# Altium PCB DRS4-PCB.PcbDoc (part 12 of 15) (continued)
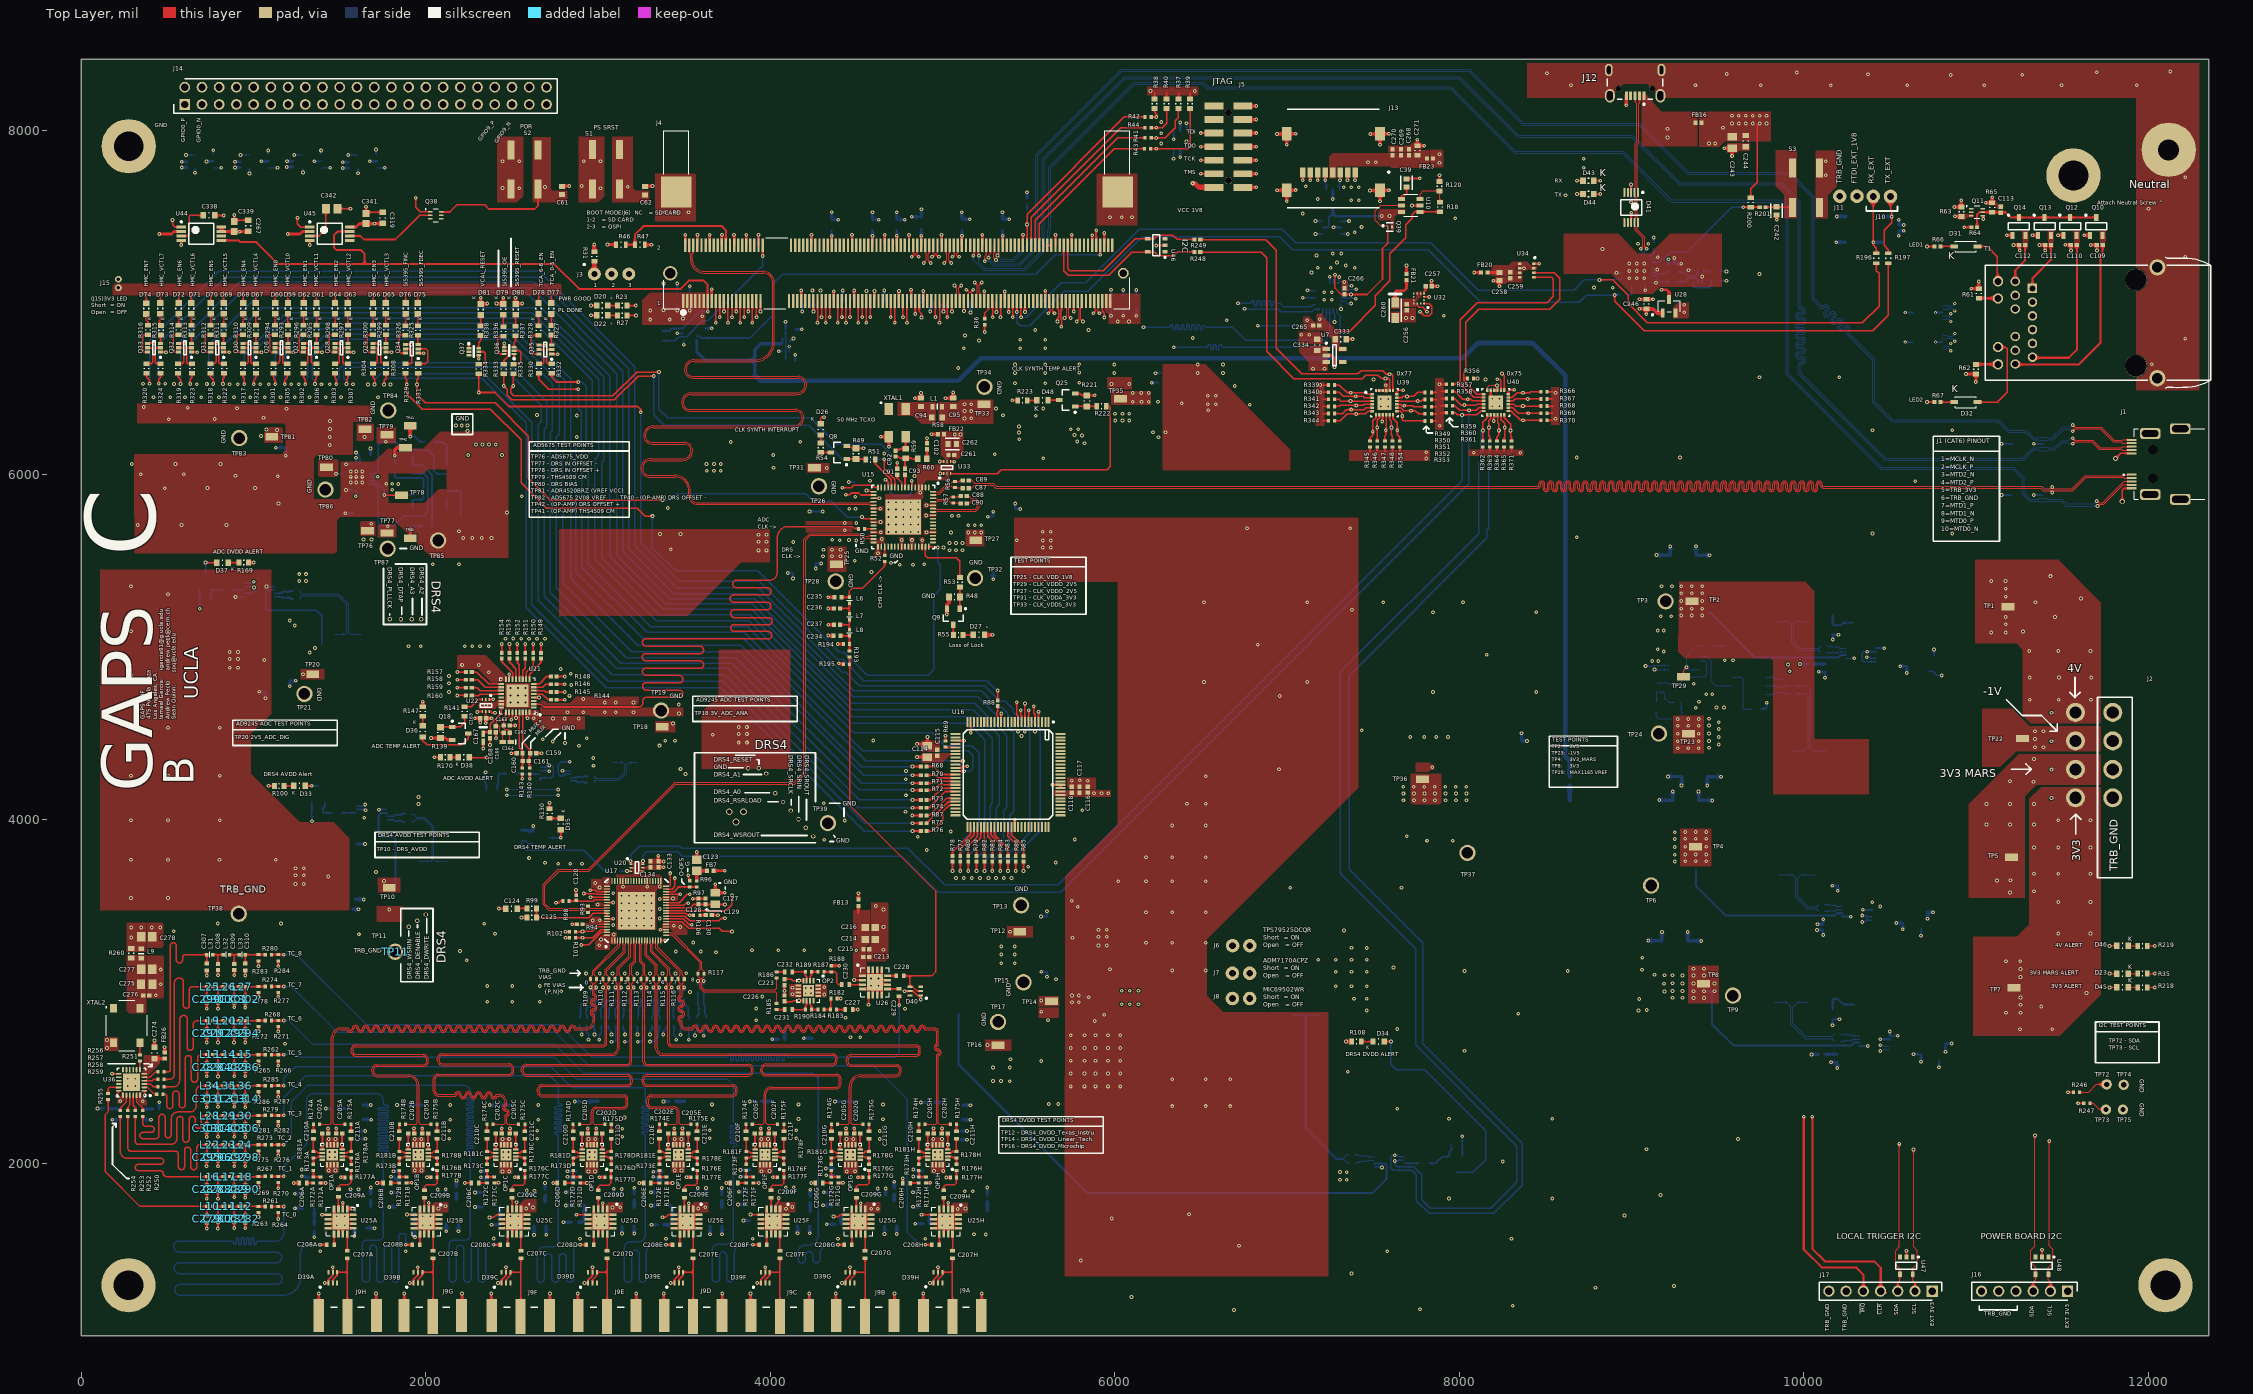
[diagram p0: Top Layer view]
## Nets (pads, with @x,y where several pads share a name; then routed paths per layer and width w, separated by ;. In a path a pad name is that pad's centre, name@x,y a point inside that pad or via, vN(x,y) a via of type N, cw(c..) or ccw(c..) an arc to the next point about the centre after c; other vN are vias at no path point) (continued)
  Top Layer w12: J9A.2@1377.84,1112.91 1378,1113.07 v1(1378,1247) ; v1(1711,1247) 1711,1114.39 J9A.3@1712.49,1112.91 ; J9B.2@1872.68,1118.76 1875,1121.09 v1(1875,1247) ; J9B.3@2207.32,1118.76 2210,1121.44 v1(2210,1247) ; v1(2380,1247) 2380,1121.44 J9C.2@2382.68,1118.76 ; J9C.3@2717.32,1118.76 2720,1121.44 v1(2720,1247) ; v1(2882,1247) 2882,1121.44 J9D.2@2884.68,1118.76 ; J9D.3@3219.32,1118.76 3222,1121.44 v1(3222,1247) ; v1(3381,1247) 3381,1121.44 J9E.2@3383.68,1118.76 ; J9E.3@3718.32,1118.76 3721,1121.44 v1(3721,1247) ; v1(3885,1247) 3885,1121.44 J9F.2@3887.68,1118.76 ; J9F.3@4222.32,1118.76 4225,1121.44 v1(4225,1247) ; v1(4380,1247) 4380,1121.44 J9G.2@4382.68,1118.76 ; J9G.3@4717.32,1118.76 4720,1121.44 v1(4720,1247) ; v1(4887,1247) 4887,1121.44 J9H.2@4889.68,1118.76 ; J9H.3@5224.32,1118.76 5227,1121.44 v1(5227,1247) ; U7.2@7227.51,6692.4 7227.91,6692 7259.09,6692 7275,6676.09 v1(7275,6624)
  Top Layer w13.78: J4.2@3505.66,7331.12 v1@3505.67,7392.92 ; J4.8@3576.52,7331.12 v1@3576.53,7392.92 ; J4.14@3647.38,7331.12 v1@3647.39,7392.92 ; J4.15@3659.11,7007.79 v1@3659.11,7076.95 ; J4.20@3718.24,7331.12 v1@3718.25,7392.92 ; v1@3730.06,6947.44 J4.21@3730.06,7007.79 ; J4.26@3789.1,7331.12 v1@3789.11,7392.92 ; v1@3800.92,6947.44 J4.27@3800.91,7008.12 ; J4.32@3859.96,7331.12 v1@3859.98,7392.91 ; v1@3871.78,6947.44 J4.33@3871.77,7008.12 ; J4.38@3930.82,7331.12 v1@3930.84,7392.91 ; v1@3942.64,6947.44 J4.39@3942.63,7008.12 ; J4.47@4178.85,7008.1 v1@4178.85,7069.51 ; J4.52@4237.89,7331.12 v1@4237.91,7392.91 ; J4.63@4367.8,7008.12 v1@4367.81,7065.44 ; J4.72@4474.09,7331.12 v1@4474.11,7392.91 ; J4.83@4604,7008.12 v1@4604.01,7065.18 ; J4.88@4663.05,7331.12 v1@4663.07,7392.91 ; J4.95@4745.72,7008.12 v1@4745.73,7065.18 ; J4.100@4804.77,7331.12 v1@4804.79,7392.91 ; J4.107@4887.45,7008.1 v1@4887.45,7065.18 ; J4.116@4993.73,7331.12 v1@4993.75,7392.91 ; J4.136@5229.93,7331.12 v1@5229.95,7392.91 ; J4.147@5360.09,7007.79 v1(5360.08,7062.92) ; J4.156@5466.13,7331.12 v1@5466.15,7392.91 ; J4.167@5596.29,7007.79 v1(5596.3,7067.33) ; J4.172@5655.09,7331.12 v1@5655.11,7392.91 ; J4.180@5749.57,7331.12 v1@5749.59,7392.91
  Top Layer w15.75: C274.2@424.34,2675.23 424.34,2714.23 v1(425.02,2714.91) ; R169.1@969.98,5489.69 v1(1001.3,5489.69) ; v1(1232.14,1888.23) 1263.88,1888.23 1264.59,1888.95 C206A.1@1264.75,1888.78 ; R171A.2@1388.16,1888.35 v1(1418.28,1888.35) ; v1(1504.97,1921.83) 1529.51,1921.83 R177A.1@1531.02,1920.31 ; v1(1716.46,1888.5) C206B.1@1753.35,1888.5 ; R171B.2@1887.12,1888.72 1902.5,1888.72 ; 1902.29,1888.5 1902.5,1888.72 ; v1(1917.9,1888.72) 1902.5,1888.72 ; R147.1@1981.57,4653.19 v1(1981.57,4682.22) ; v1(2006.38,1921.68) R177B.1@2029.61,1921.68 ; v1(2283.32,4586.24) 2283.49,4586.41 2314.96,4586.41 v1(2314.96,4561.57) ; v1(2318.01,7027.36) 2317.87,7027.21 D81.1@2317.87,6990.31 2318.19,6990.64 2355.69,6990.64 2356.93,6991.88 v1(2356.93,6993.26) ; R171C.2@2396.39,1889.02 v1@2419.45,1889.02 ; v1(2410.45,6993.26) 2411.44,6992.27 2449.36,6992.27 D79.1@2449.98,6991.65 2449.98,7027.09 v1(2449.7,7027.36) ; v1@2419.41,1888.98 v1@2419.45,1889.02 ; v1(2421.04,1889.02) v1@2419.45,1889.02 ; v1(2515.55,1920.83) R177C.1@2538.78,1920.83 ; v1(2520.66,7027.36) 2521,7027.02 D80.1@2521,6991.3 2521.62,6991.92 2557.03,6991.92 2558.37,6993.26 v1(2559.97,6993.26) ; C61.2@2791.87,7676.38 v1(2832.07,7676.38) ; R171D.2@2896.51,1888.98 2896.55,1889.02 2897.8,1887.76 v1(2935.94,1887.76) ; v1(3006.93,1921.72) 3038.04,1921.72 R177D.1@3038.94,1920.83 ; R47.2@3270.73,7335.91 3271.54,7335.1 v1(3309.55,7335.1) ; C62.2@3275.49,7676.38 v1(3315.89,7676.38) ; v1(3348.62,3788.27) 3348.62,3755.39 3349.76,3754.25 v1(3380.28,3754.25) ; R171E.2@3399.72,1888.01 v1@3425.55,1888.01 ; v1(3513.05,1921.11) 3539.13,1921.11 R177E.1@3539.41,1920.83 ; C123.1@3573.83,3765.7 v1@3573.83,3808.16 ; v1(3680.51,3622.52) C127.2@3680.51,3573.23 v1(3735.28,3573.23) ; v1@4012.9,1921.29 4042.01,1921.29 R177F.1@4042.48,1920.83 ; v1(4336.06,5065.86) C234.1@4368.38,5065.86 ; v1(4336.06,5129.13) C237.1@4368.38,5129.13 ; v1(4336.06,5223.54) C236.1@4366.09,5223.54 ; v1@4336.07,5288.39 C235.1@4373.65,5288.39 ; R188.1@4353.04,3149.29 4397.92,3149.28 v1@4400.08,3147.13 ; R182.2@4386.51,2959.32 4407.85,2959.32 v1(4408.43,2958.74) ; v1@4392.18,5017.68 R194.1@4424.49,5017.68 ; R171G.2@4395.61,1888.83 v1@4421.1,1888.83 ; v1(4397.47,4905.78) 4397.47,4904.57 4399.88,4902.17 4423.5,4902.17 4424.49,4901.18 R195.1@4424.49,4899.21 ; v1@4507.7,1921.8 4537.16,1921.8 R177G.1@4537.28,1921.69 ; v1(4641.36,6220.04) XTAL1.4@4688.03,6220.04 v1(4688.03,6163) ; v1(4837.99,6444.25) C94.2@4874.49,6444.25 v1(4874.49,6474.65) ; v1(4851.07,4436.22) 4909.37,4436.22 C114.2@4911.65,4433.94 ; R171H.2@4903.31,1889.01 v1@4926.37,1889.01 ; C114.2@4911.65,4426.85 C114.2@4911.65,4433.94 ; v1(4911.65,4477.43) C114.2@4911.65,4433.94 ; v1@4925.87,1888.5 v1@4926.37,1889.01 ; v1(4927.74,1889.01) v1@4926.37,1889.01 ; v1(5016.73,6444.25) C95.2@5061.82,6444.25 5061.82,6476.75 v1(5062.13,6477.05) ; v1@5020.34,1920.65 5043.99,1920.65 R177H.1@5044.8,1919.84 ; J5.14@6743.17,7668.08 v1(6819.91,7668.08) ; J5.12@6743.17,7746.82 v1(6819.91,7746.82) ; J5.10@6743.17,7825.56 v1(6819.91,7825.56) ; J5.8@6743.17,7904.3 v1(6819.91,7904.3) ; J5.6@6743.17,7983.04 v1(6819.91,7983.04) ; J5.4@6743.17,8061.78 v1(6819.91,8061.78) ; J5.2@6743.17,8140.52 v1(6819.91,8140.52) ; v1(6941.08,7651.38) J13.G4@6997.24,7651.38 ; v1(6941.08,7978.15) J13.G3@6997.24,7978.15 ; v1(6997.95,7588.16) J13.G4@6997.95,7652.09 ; v1(6997.95,7914.94) J13.G3@6997.95,7978.86 ; J13.G4@6998.31,7652.12 v1(7050.17,7652.12) ; J13.G3@6998.31,7978.9 v1(7050.17,7978.9) ; v1(7481.51,7650.47) 7537.68,7650.47 J13.G1@7538.39,7651.18 ; v1(7482.42,7978.15) J13.G2@7538.58,7978.15 ; v1(7538.39,7587.26) J13.G1@7538.39,7651.18 ; v1(7539.29,7914.94) J13.G2@7539.29,7978.86 ; J13.G2@7539.65,7978.9 v1(7591.5,7978.9) ; v1(7590.6,7651.22) 7538.74,7651.22 J13.G1@7538.58,7651.38 J13.G1@7538.39,7651.18 ; v1(7755.92,7944.97) C271.2@7755.92,7909.02 v1(7796.09,7909.02) ; v1(7837.8,7125.74) 7837.8,7093.82 v1(7872.83,7093.82) ; v1(8196.66,7126.3) C258.2@8232.7,7126.3 v1(8232.7,7093.75) ; U34.1@8430.59,7223.58 8431.36,7224.36 v1(8463.41,7224.36) ; v1(9045.75,7017.83) C246.1@9085.14,7017.83 v1(9124.53,7017.83) ; v1@9536.99,7894.63 C243.2@9583.17,7894.65 v1(9583.17,7849.55) ; v1(9841.64,7479.97) C242.2@9841.64,7511.46 ; v1(11055.6,7578.49) R65.1@11092.93,7578.49 v1(11092.93,7609.99) ; v1(11217.02,7333.06) 11223.36,7333.06 11224.27,7333.97 11251.2,7333.97 11251.2,7306.33 11252.32,7305.21 v1@11252.32,7302.15 ; v1(11367.51,7333.97) v1@11369.19,7333.97 ; v1@11373.48,7333.97 11400.41,7333.97 11400.41,7306.33 11400.28,7306.21 v1(11400.28,7301.26) ; v1(11517.09,7334.6) 11523.25,7334.6 11523.87,7333.97 11550.8,7333.97 v1@11550.8,7306.1 ; v1@11674.27,7333.97 11701.19,7333.97 11701.19,7306.33 11701.05,7306.19 v1(11701.05,7301.26) v1@11701.05,7301.11
  Top Layer w16: v1(9173,7073) 9204,7073 9218,7059 U28.3@9218,7018
  Top Layer w18: v1(7341.21,2709.43) R108.1@7374.34,2709.43 ; v1(8968.81,8145.07) 8968.82,8196 J12.5@8968.82,8203.83
  Top Layer w19.68: D27.1@5242.81,5069.96 v1@5289.65,5069.96
  Bottom Layer w5: v1(3497.43,6754.79) Q6.4@3497.43,6782.14
  Bottom Layer w6.12: U30.7@10244.75,4933.75 10245.04,4934.04 10292.7,4934.04 v1(10292.99,4934.33)
  Bottom Layer w7.87: v1(895.37,5289.35) 897.35,5291.34 U24.1@947.41,5291.34 ; v1(1075.03,5350.39) U24.7@1122.61,5350.39 ; v1(1535.79,5911.1) U37.5@1556.91,5911.09 U37.4@1576.59,5911.09 ; v1(1535.79,6060.87) U37.11@1556.91,6060.88 U37.12@1576.59,6060.88 ; v1(1728.24,4055.53) 1729.21,4056.51 U18.7@1772.09,4056.51 ; v1(2792.49,4281.01) 2792.6,4280.9 U23.7@2839.14,4280.9 ; v1(5571.5,3435.25) v1@5571.7,3435.05 ; v1(6236.23,6588.93) 6238.72,6591.42 C57.2@6270.75,6591.42 ; U19.7@7505.78,1981.63 7552.3,1981.63 7552.3,1981.19 7550.53,1979.42 v1(7550.53,1978.45) ; C240.1@9127.53,7347.62 9127.53,7376.86 v1(9127.83,7377.16) ; v1(9330.06,7186.92) 9357.54,7186.92 Q21.1@9358.14,7186.32 ; Q21.4@9409.33,7111.52 9409.32,7141.7 9410.51,7142.88 v1@9410.51,7150.16
  Bottom Layer w8: v1(11147,5882) D28.8@11210.4,5882 ; v1(11147,6179) D25.8@11215.4,6179
  Bottom Layer w8.72: v1(7118.07,7070.64) 7134.62,7070.64 7138.73,7066.53 U35.11@7162.64,7066.53 ; U35.2@7266.97,6962.19 7267.18,6961.98 7267.18,6940.44 7275,6932.62 v1(7275,6886) ; v1(7312.24,6962.35) U35.24@7312.24,6987.79
  Bottom Layer w9.8: v1@11438.13,4123.95 D1.2@11464.1,4123.95 ; v1@11438.13,4289.31 D2.2@11464.1,4289.31 ; v1@11438.13,4454.66 D3.2@11464.1,4454.66 ; v1@11438.13,4620.02 D4.2@11464.1,4620.02
  Bottom Layer w9.84: v1(8911.68,7173.15) 8911.76,7173.23 U27.4@8941.46,7173.23 ; v1(9078.27,7070.51) U27.26@9078.27,7095.47 ; U27.24@9116.65,7114.17 v1(9141.62,7114.17) ; U27.20@9116.65,7192.91 9147.5,7192.91 v1(9148.73,7191.69) ; U27.17@9116.65,7251.97 9129.85,7251.97 9139.91,7262.02 v1(9152.16,7262.02) ; v3(10588.72,6769.7) D30.8@10630.59,6769.7 ; v3(10588.72,6941.14) D29.8@10630.59,6941.14
  Bottom Layer w10: v1(1351.19,7819.12) D56.2@1391.16,7819.12 ; C75.2@3379.93,7065.75 v1(3379.92,7110.08) ; C74.2@3459.72,7065.75 v1(3459.72,7110.08) ; C76.2@3532.2,7057.62 3532.27,7057.68 v1(3532.27,7093.34) ; C65.2@5977.23,7024.37 5978.25,7025.38 5978.25,7072.8 v1(5977.23,7073.82) ; C64.2@6049.11,7035.99 v1(6049.11,7072.8) ; C63.2@6124.53,7038.31 v1(6124.53,7072.8) ; D49.2@7311.41,7436.07 D49.2@7312.44,7435.04 ; R123.2@9751.56,4639 9753.56,4641 9778,4641 9784,4647 v1(9784,4676) ; v1(10166.57,2803.16) R6.1@10166.57,2838.86 v1(10206.77,2838.86) ; v1(11436.7,4618.59) v1@11438.13,4620.02
  Bottom Layer w11.81: C10.1@1593.13,3856.1 v1(1646.67,3856.1) ; v1(4100.97,5429.56) 4101.37,5429.96 C34.2@4130.2,5429.96 4130.2,5397.54 v1(4130.7,5397.05) ; R26.2@4143.78,6664.1 v1(4143.78,6695.96) ; R25.2@4143.78,6843.82 v1(4182,6843.82) ; v1(4227.09,5786.26) C33.1@4265.24,5786.26 v1(4303.68,5786.26) ; v1(4263.29,5455.08) 4262.9,5455.48 C32.1@4262.9,5484.31 4295.31,5484.31 v1(4295.8,5484.81) ; v1(4454.16,5957.44) C96.1@4488.12,5957.44 ; v1(5261.46,5755.66) 5261.95,5756.16 C35.1@5294.37,5756.16 5294.37,5784.99 v1(5293.97,5785.39) ; v1(5420.85,5832.96) 5421.34,5832.46 C37.2@5421.34,5800.05 5450.18,5800.05 v1(5450.58,5800.44) ; v1@5571.7,3435.05 C14.1@5605.2,3435.05 v1(5605.2,3464.97) ; v1@5572.87,3112.59 5574.44,3114.17 C12.1@5605.2,3114.17 v1(5605.2,3084.91) ; U4.6@5821.72,2966.65 v1(5848.08,2966.65) ; v1(6214.15,6533.4) 6214.76,6534 6250.18,6534 C56.1@6250.79,6534.61 ; v1(7269.38,7436.07) D49.2@7311.41,7436.07 ; v1(10075.67,3357.35) 10110.83,3357.35 10111.82,3356.37 v1(10111.82,3327.83) ; v1(10085.68,4855.91) 10122.24,4855.91 C253.2@10123.9,4854.25 10122.87,4853.23 v1(10122.87,4821.32) ; v1(10167.32,5043) R2.1@10167.32,5070.87 v1(10200.5,5070.87) ; U14.7@10222.07,3434.29 10271.23,3434.29 v1(10271.69,3433.83) ; U29.7@10323.3,2683.13 v1(10370.64,2683.15) ; U30.1@10419.94,4992.8 v1(10465.94,4992.8) ; v1(10442.91,2722.5) U29.2@10498.49,2722.5
  Bottom Layer w12: J9A.4@1377.84,1118.76 1378,1118.92 v1(1378,1247) ; v1(1711,1247) 1711,1120.25 J9A.5@1712.49,1118.76 ; J9B.4@1872.68,1118.76 1875,1121.09 v1(1875,1247) ; J9B.5@2207.32,1118.76 2210,1121.44 v1(2210,1247) ; v1(2380,1247) 2380,1121.44 J9C.4@2382.68,1118.76 ; J9C.5@2717.32,1118.76 2720,1121.44 v1(2720,1247) ; v1(2882,1247) 2882,1121.44 J9D.4@2884.68,1118.76 ; J9D.5@3219.32,1118.76 3222,1121.44 v1(3222,1247) ; v1(3381,1247) 3381,1121.44 J9E.4@3383.68,1118.76 ; J9E.5@3718.32,1118.76 3721,1121.44 v1(3721,1247) ; v1(3885,1247) 3885,1121.44 J9F.4@3887.68,1118.76 ; J9F.5@4222.32,1118.76 4225,1121.44 v1(4225,1247) ; v1(4380,1247) 4380,1121.44 J9G.4@4382.68,1118.76 ; J9G.5@4717.32,1118.76 4720,1121.44 v1(4720,1247) ; v1(4887,1247) 4887,1121.44 J9H.4@4889.68,1118.76 ; J9H.5@5224.32,1118.76 5227,1121.44 v1(5227,1247)
  Bottom Layer w15: v1(7265,7600.08) D50.2@7265,7653.15
  Bottom Layer w15.75: v1(179.79,2254.8) C273.2@224.39,2254.82 ; C272.2@356.95,2254.8 v1(404.67,2254.8) ; v1(582.64,7783.11) 583.24,7783.71 C315.1@613.86,7783.71 ; v1(725.84,7818.86) D54.2@765.81,7818.86 ; v1(891.51,7783.23) C316.1@921.07,7783.23 ; v1(1032.79,4739.24) 1037.57,4739.24 1037.75,4739.06 C26.2@1068.8,4739.06 1068.8,4706.26 1068.88,4706.18 v1(1068.88,4702.73) ; v1(1044.53,7819.01) D55.2@1084.5,7819.01 ; v1(1129.02,6157.17) C323.2@1186.46,6157.17 v1(1186.46,6109.79) ; v1(1192.92,7786.93) C317.1@1226.73,7786.93 ; v1(1209.94,4771.39) 1209.99,4771.44 C27.1@1209.99,4803.5 v1(1245.11,4803.5) ; v1(1516.61,7780.04) C318.1@1550.36,7780.04 ; v1(1531.79,5776.3) C321.2@1578,5776.3 C321.2@1575.24,5773.55 ; v1(1674.73,7818.94) D57.2@1714.7,7818.94 ; C325.1@1678.66,6116.55 1678.77,6116.66 v1@1678.77,6152.07 ; R28.1@3626.54,6849.57 v1(3660.11,6849.57) ; v1(3811.4,1763.46) C204F.1@3859.61,1763.47 ; v1(3816.57,1837.36) C201F.1@3859.61,1837.36 ; v1(4185.08,6947.36) C67.1@4185.08,7004.09 ; 4355.91,7511.66 4355.91,7480.51 v1(4393.22,7480.51) ; C72.1@4592.2,7482.56 4592.2,7511.65 ; C72.1@4594.49,7480.51 v1(4629.75,7480.51) ; 4733.9,7511.65 C84.1@4733.9,7482.56 4735.94,7480.51 4736.05,7480.61 v1(4779.68,7480.61) ; v1(4820.66,7497.03) 4873.91,7497.03 C81.2@4875.63,7495.31 4876.72,7496.4 v1(4876.72,7541.07) ; v1@5111.18,7524.12 5111.18,7483.78 5111.93,7483.03 5112.07,7483.17 v1(5156.98,7483.17) ; v1(5347.84,7524.37) 5347.84,7483.55 5348.59,7482.81 5348.42,7482.64 C82.1@5348.5,7482.56 v1(5387.24,7482.56) ; C85.1@5490,7605.99 v1(5490,7640.41) ; v1(6378.82,7842.84) D24.2@6378.82,7887.11 ; v1(8360.24,4498.86) D19.2@8360.24,4454.53 8392.5,4454.53 v1(8392.58,4454.61) ; C239.1@8996.77,7612.89 v1(8996.77,7582.03) v1@8998.02,7580.78 ; C5.2@9174.39,3295.42 C5.2@9175.56,3294.25 ; v1(9247.38,7258.33) 9247.38,7225.43 9246.99,7225.04 9247.47,7224.57 v1(9287.54,7224.57) ; v1(10157.48,2588.58) 10192.64,2588.58 C251.2@10193.62,2587.6 v1(10193.62,2555.23) ; v1(10165,3614.17) R4.1@10196.85,3614.17 v1(10196.85,3585) ; v1(10550.4,7387.06) 10550.4,7391 10551.56,7392.16 10551.56,7415.77 v1(10579.67,7415.77)
  Bottom Layer w18: v1(1279.88,1927.76) 1293.72,1927.76 1300.16,1921.33 C197A.2@1318.43,1921.33 ; v1(1279.88,1966.61) C199A.2@1317.95,1966.61 ; C194A.1@1561.85,1818.78 v1(1561.85,1851.61) ; C8.2@1574.42,3478.93 C8.2@1576.63,3476.72 ; v1(1584.02,1579.51) C193A.2@1584.02,1625.87 ; C192A.1@1609.29,1818.78 v1(1609.29,1851.61) ; C198A.2@1616.81,2145.35 1648.53,2145.35 v1(1648.94,2144.94) ; C196A.2@1616.81,2190.63 v1@1648.53,2190.63 ; C203A.1@1634.88,2340.28 v1(1679.53,2340.28) ; C200A.1@1636.1,2255.63 v1(1682.24,2255.63) ; C195A.2@1655.04,1625.87 1700.61,1625.87 v1(1701.13,1625.35) ; v1@1786.84,1750 1788.02,1748.82 C201B.1@1823.31,1748.82 ; v1(1797.87,1923.78) 1813.87,1923.78 1827.09,1910.55 C199B.2@1850.23,1910.55 ; v1(1798.63,1833.46) C204B.1@1835.43,1833.46 ; v1(1811.86,1955.83) C197B.2@1850.23,1955.83 ; C194B.1@2069.53,1819.13 v1(2069.53,1849.79) ; C192B.1@2115.43,1819.13 v1(2115.43,1851.29) ; v1(2118.27,1607.64) C195B.2@2118.27,1648.3 ; v1(2188.94,1607.89) C193B.2@2188.94,1649.41 ; v1(2285.04,1748.82) C201C.1@2327.2,1748.82 ; v1(2285.04,1833.46) C204C.1@2327.2,1833.46 ; v1(2318.31,1921.66) 2328.36,1921.66 2339.9,1910.12 C199C.2@2356.89,1910.12 ; v1(2318.31,1955.51) C197C.2@2356.89,1955.51 ; C194C.1@2585.83,1810.32 2585.83,1843.3 v1@2586.93,1844.41 ; v1(2627.2,1586.66) C193C.2@2627.2,1638.11 ; C192C.1@2631.1,1810.32 2631.1,1842.66 v1@2632.12,1843.67 ; v1(2698.23,1587.6) C195C.2@2698.23,1638.11 ; v1(2811.93,1757.8) C201D.1@2851.3,1757.8 ; v1(2811.93,1834.96) C204D.1@2851.3,1834.96 ; v1(2822.13,1924.81) 2822.82,1924.11 2838.91,1924.11 2847.53,1915.49 2871.07,1915.49 C197D.2@2871.71,1914.85 ; v1(2822.13,1955.51) C199D.2@2870.79,1955.51 ; C192D.1@3090.24,1818.94 v1(3090.24,1854.3) ; C194D.1@3136.89,1818.94 v1(3136.89,1853.44) ; v1(3137.99,1594.8) v1(3137.99,1594.8) C195D.2@3138.03,1636.08 ; v1(3209.06,1594.8) C193D.2@3209.06,1638.58 ; v1(3307.4,1757.76) C201E.1@3349.72,1757.76 ; v1(3307.4,1834.92) C204E.1@3349.8,1834.92 ; v1(3319.72,1923.92) 3330.95,1923.92 3348.06,1906.81 C197E.2@3370.24,1906.81 ; v1(3319.72,1953.39) C199E.2@3370.24,1953.39 ; C192E.1@3578.9,1826.98 v1(3578.9,1859.13) ; C194E.1@3626.3,1826.68 v1(3626.3,1859.13) ; C195E.2@3648.54,1638.58 3649.05,1638.08 v1(3649.05,1590.98) ; v1(3719.57,1590.98) C193E.2@3719.57,1638.58 ; v1(3826.61,1964.09) 3827.2,1963.51 C197F.2@3880.64,1963.51 ; v1(3827.05,1924.72) C199F.2@3879.71,1924.72 ; C192F.1@4088.78,1826.5 v1(4088.78,1863.07) ; v1(4135.6,1863.07) 4136.19,1862.48 C194F.1@4136.19,1826.5 ; v1(4156.97,1596.77) C193F.2@4156.97,1638.58 ; v1(4227.99,1596.77) C195F.2@4227.99,1638.58 ; v1(4304.75,1758.57) 4348.93,1758.57 4354.33,1753.17 C204G.1@4355.02,1753.86 ; v1@4310.16,1833.45 4310.3,1833.59 4311.97,1833.59 4312.11,1833.45 4351.96,1833.45 C201G.1@4352.8,1834.29 ; v1(4321.85,1972.05) C197G.2@4369.98,1972.05 ; v1(4323.66,1932.52) C199G.2@4369.6,1932.52 ; C192G.1@4623.9,1817.59 v1(4623.9,1856.1) ; v1(4662.72,1591.69) C193G.2@4662.72,1638.58 ; C194G.1@4669.17,1817.46 v1(4669.17,1856.63) ; v1(4733.74,1591.69) C195G.2@4733.74,1638.58 ; v1(4827.76,1749.37) C204H.1@4866.57,1749.37 ; v1(4827.76,1833.96) 4827.97,1834.17 C201H.1@4866.57,1834.17 ; v1(4829.13,1925.2) 4853.69,1925.2 4859.31,1919.57 C197H.2@4882.79,1919.57 ; v1(4829.13,1965.98) 4843.54,1965.98 4851.82,1957.71 C199H.2@4882.99,1957.71 ; C196H.2@5106.93,2138.98 v1(5141.22,2138.98) ; C198H.2@5106.93,2190.28 v1@5141.22,2190.28 ; C203H.1@5116.61,2255.24 v1(5162.13,2255.24) ; C200H.1@5116.61,2339.88 v1(5162.13,2339.88)
  Bottom Layer w19.68: v1(1239.14,1826.02) C204A.1@1284.39,1826.02 ; v1(1239.47,1741.34) C201A.1@1284.72,1741.34 ; C8.2@1576.63,3476.72 v1(1609.08,3476.72) ; C9.1@1593.73,3535.21 1635.91,3535.21 1637.32,3533.8 v1(1639.12,3533.8) ; C68.1@4420.12,7004.09 v1(4420.12,7069.13) ; C66.2@4661.1,7004.09 v1(4661.1,7068.85) ; C83.1@4881.06,7003.82 4881.06,7033.61 4888.62,7041.17 v1@4888.62,7066.35 ; v1(4928.53,6947.05) 4928.53,6965.49 4939.85,6976.82 C71.1@4939.85,7003.82 ; v1(5162.32,6941.33) C70.2@5162.32,7006.22 ; v1(5294.37,5393.08) C38.1@5294.37,5430.61 ; v1(9096.56,3295.43) C5.2@9174.39,3295.42 ; v1@9144.85,5533.15 C1.2@9222.68,5533.15 ; v1(9159.53,4111.04) C3.2@9237.36,4111.02 ; C5.2@9175.79,3294.48 v1(9175.79,3345.75) ; v1(9210.72,4248.18) C29.1@9288.55,4248.18 ; C1.2@9224.08,5532.21 v1(9224.08,5583.48) ; C3.2@9238.76,4110.08 v1@9238.76,4161.34 ; v1@9289.72,4195.74 C29.1@9289.72,4247 ; C6.2@9325.56,3294.49 v1@9325.56,3345.74 ; C6.2@9326.74,3293.31 v1(9404.57,3293.31) ; C2.2@9373.5,5532.94 v1@9373.5,5584.2 ; C2.2@9374.67,5531.77 v1(9452.5,5531.77) ; C4.2@9388.54,4110.08 v1@9388.54,4161.34 ; C4.2@9389.71,4108.91 v1(9467.54,4108.91) ; v1(9439.5,4195.74) C30.1@9439.5,4247 ; C30.1@9440.9,4246.06 v1(9518.73,4246.05) ; v1@10187.68,7349.23 D42.5@10241.03,7349.23 ; v1@10190.37,7499.65 D42.8@10232.74,7499.65
  Bottom Layer w23.62: D42.8@10232.74,7499.65 10233.16,7499.23 D42.8@10241.03,7499.23